# KiCad board Farallon EtherMac LC Comm Slot Card 10Base-T v1.0.kicad_pcb (continued)
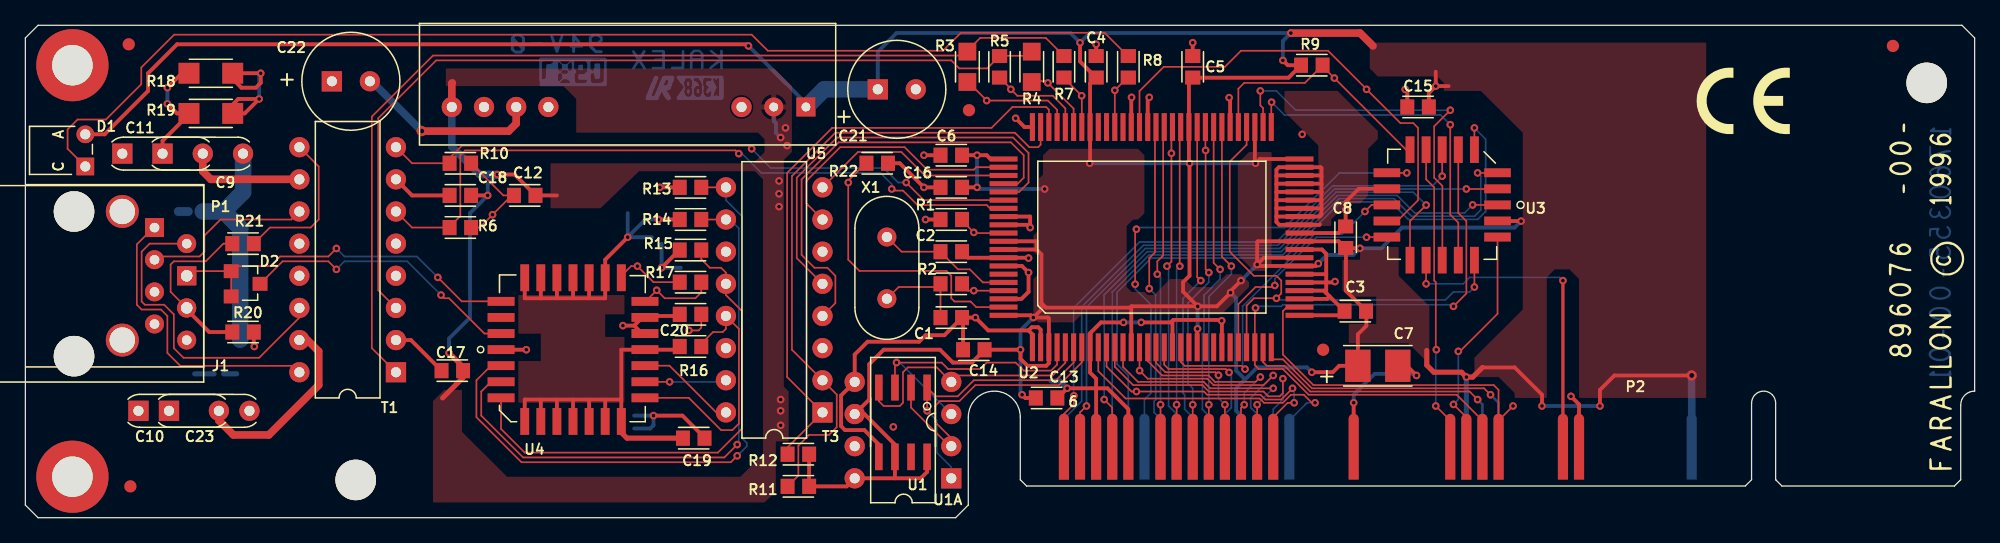
[diagram p0: board, top side]
## Routing (per net, layer and track width the routed paths; a pad name or vN(x,y) marks a point on that pad's centre or on a via; arc(x,y) is an arc through that point) (continued)
  Bottom w0.4: v1(113.69,11.11) 113.69,5.9
  Bottom w0.6: 131.47,5.9 131.47,11.24 v2(131.48,11.24)
  Bottom w1.3: U5.1 61.63,32.45 63.02,33.84 C21.1
+9V: length 50.2
  Top w0.3: U4.16 48.66,14.55 48.04,15.17 ; 48.04,15.17 48.68,15.82 48.78,15.82 48.66,15.94 ; 48.04,15.17 v1(47.15,15.17) ; 48.79,15.82 48.9,15.94 51.49,15.94 51.62,16.06 ; v1(39.53,13.27) 37.63,13.27 37.51,13.4 ; v1(49.56,8.06) 51.85,8.06 53.6,6.31 53.6,6.28 ; v1(18.06,13.52) 18.03,13.56 R20.2 ; v1(18.45,33.08) 17.3,31.94 16.29,31.94 16.29,32.57 16.79,33.08 v1(18.45,33.08) ; 18.19,33.97 17.05,33.97 16.29,34.73 16.29,35.11 v1(18.57,35.11) 18.57,34.35 18.19,33.97
  Bottom w0.3: v1(18.45,33.08) 18.45,34.99 v1(18.57,35.11) ; 48.04,8.06 v1(49.56,8.06) 49.56,7.3 49.31,7.05 48.04,7.05
  Bottom w0.4: 16.67,11.36 15.65,11.36
  Bottom w1.3: 17.18,28.51 17.18,25.72 15.65,24.19 ; 15.65,24.19 14,24.19 ; 15.65,24.19 16.95,22.9 16.95,14.06
/RX-/+9V: length 13.8
  Top w0.127: J1.6 11.46,17.84 11.46,20 11.71,20.25 14.23,20.25 15.63,21.65 R21.1
  Top w0.3: 12.73,16.44 14.51,14.67 R20.1
GND: length 247.1
  Top w0.127: U2.99 75.02,16.64 74.58,17.08 73.31,17.08 73.06,17.33 73.06,19.11 72.67,19.49 65.82,19.49 64.93,20.38 v1(64.93,26.48) 64.93,26.63 66.17,27.87
  Top w0.3: 87.03,5.9 87.03,8.57 85.37,10.22 v1(82.2,10.22) 81.44,9.46 C13.2 ; C1.2 v1(74.96,15.81) 75.98,14.79 79.15,14.79 ; C1.2 73.98,15.73 C14.1 ; C1.2 73.92,15.81 ; C1.2 72.51,14.41 71.02,14.41 70.52,13.9 66.45,13.9 65.44,12.89 U1A1.5 64.36,9.65 64.36,7.23 64.67,6.92 66.2,6.92 67.34,5.78 U1.5 ; 100.68,26.39 102.23,26.39 102.27,26.35 ; 102.64,17.75 102.9,17.49 ; 102.64,17.75 102.45,17.94 U2.34 ; 102.64,17.75 102.64,20.85 102.3,21.19 U2.39 ; 102.9,17.49 102.7,17.29 100.68,17.29 ; 102.9,17.49 104.06,16.33 104.06,16.32 103.73,15.99 U2.31 ; U2.88 79.28,23.79 v1(79.28,22.92) 79.06,23.14 U2.89 ; v1(78.14,31.56) 78.83,30.86 U2.80 ; 102.27,26.35 102.27,26.99 ; 102.27,26.35 102.27,25.72 ; 102.27,26.99 102.27,27.62 102.2,27.69 U2.49 ; 102.27,26.99 102.21,27.04 U2.48 98.76,27.04 98.71,26.99 ; 98.71,25.08 98.72,25.09 U2.45 ; 98.71,25.08 98.71,24.45 ; 98.71,25.08 98.71,25.72 ; P2.42 104.81,9.08 v1(104.81,9.08) ; U2.18 90.51,15.55 90.58,15.62 ; v1(88.68,33.21) 88.56,33.09 U2.66 ; 102.26,25.09 102.27,25.08 102.27,24.45 ; 102.26,25.09 102.26,25.71 102.27,25.72 ; 102.26,25.09 100.68,25.09 ; 90.58,15.62 90.39,15.43 v1(88.04,15.43) ; 90.58,15.62 94.32,15.62 v1(94.39,15.56) 94.41,15.54 U2.24 ; U2.68 87.26,33.19 v1(87.28,33.21) ; 98.71,26.35 98.75,26.39 U2.47 ; 98.71,26.35 98.71,26.99 ; 98.71,26.35 98.71,25.72 ; U3.10 105.2,25.98 104.17,24.95 v1(104.17,24.32) 104.17,23.03 103.62,22.49 U2.41 ; 79.15,14.79 79.41,15.05 79.91,15.05 80.11,14.85 U2.2 ; 79.15,14.79 79.46,14.49 U2.1 ; 102.27,24.45 102.26,24.44 U2.44 98.72,24.44 98.71,24.45 ; 102.27,24.45 102.27,23.94 102.12,23.79 U2.43 98.73,23.79 98.71,23.81 ; 102.27,25.72 102.24,25.74 100.68,25.74 ; 98.71,24.45 98.71,23.81 ; C2.1 74.38,20.54 79.12,20.54 v1(79.15,20.51) ; C6.1 v1(70.9,28.64) ; v1(86.64,15.43) 84.86,15.43 84.01,14.57 84.01,11.46 84.49,10.98 84.49,10.35 84.49,10.35 84.49,5.9 ; v1(121.95,9.59) 122.59,8.95 122.59,5.9 ; U2.94 78.63,19.89 v1(79.15,19.37) 79.15,17.84 78.6,17.29 U2.98 ; 98.71,26.99 98.71,27.49 98.9,27.69 100.55,27.69 ; U2.46 98.73,25.74 98.71,25.72 ; 98.71,23.81 98.71,23.37 98.94,23.14 U2.42 102.1,23.14 102.14,23.18 ; U2.35 103.27,18.59 ; C15.1 109.04,33.68 v1(108.87,33.84) ; 84.49,36.48 v1(84.49,37.4) ; U2.36 102.64,19.24 ; v1(109.76,11.24) 109,12 C7.2 ; C5.1 v1(92.11,37.53) ; R1.1 v1(71.02,23.56) ; 41.94,25.46 C12.2 38.6,27.11 v1(37.24,27.11) ; C16.1 v1(70.9,26.1) 68.99,28 68.13,28 ; U2.56 95.06,33.1 v1(94.98,33.18) ; v1(36.48,25.46) C18.2
  Top w0.4: 81.44,9.47 C13.2 ; v1(33.43,13.02) 34.54,11.91 34.54,11.07 32.92,9.46 ; 103.27,18.59 v1(103.33,18.65)
  Top w0.6: 33.69,34.35 33.65,34.31 U5.12
  Bottom w0.3: U5.2 59.05,31.34 59.21,31.18 59.21,30.41 v1(59.59,30.03) ; v1(86.64,15.43) v1(88.04,15.43) ; v1(104.81,9.08) 104.81,9.71 106.46,11.36 109.63,11.36 v1(109.76,11.24) ; v1(33.43,13.02) 33.43,14.16 35.08,15.81 35.08,24.06 v1(36.48,25.46) 36.48,26.35 v1(37.24,27.11)
  Bottom w0.4: v1(82.2,10.22) 81.62,10.81 80.93,10.81
  Bottom w0.6: v1(37.24,27.11) 35.84,27.11 33.65,29.31 U5.12
  vias: v1(59.47,26.6) v1(59.47,25.59) v1(59.47,24.57) v1(59.59,9.33) v1(59.59,8.44) v1(59.59,7.3) v1(59.97,30.8) v1(60.1,29.4) v1(68.48,7.17) v1(100.74,30.29)
VEE: length 88.2
  Top w0.127: C20.2 53.33,15.01 53.12,14.79 v1(52.35,14.79)
  Top w0.3: 45.75,18.86 45.75,20.38 v1(47.53,22.16) ; 44.48,9.33 44.48,7.7 ; 40.67,9.33 40.67,7.7 40.66,7.7 40.54,7.82 ; 39.4,7.7 39.4,9.33 47.02,9.33 ; 43.21,17.33 U4.22 ; 41.94,17.33 U4.23 ; 43.21,9.33 43.21,7.7 ; 40.67,17.33 U4.24 ; 45.62,18.97 45.75,18.85 45.75,17.33 39.4,17.33 U4.25 ; R13.1 v1(50.07,26.1) 50.2,26.1 ; 45.75,9.33 45.75,7.7 ; 41.81,7.82 41.93,7.7 41.94,7.7 41.94,9.33 ; R14.1 v1(49.94,23.56) ; 46.89,7.82 47.02,7.95 47.02,13.27 51.38,13.27 R16.1 ; v1(50.2,19.75) 51.59,21.14 R15.1 ; 44.48,17.33 U4.21 44.47,18.97
  Top w0.4: 47.02,7.7 47.02,6.73 47.47,6.28 C19.1
  Top w0.6: U5.10 38.73,31.14 38.13,30.54 v2(31.27,30.54)
  Bottom w0.3: v1(49.94,23.56) 48.93,23.56 v1(47.53,22.16) ; v1(50.2,19.75) 50.2,21.65 ; v1(50.2,19.75) 51.08,20.64 ; v1(50.2,19.75) 51.72,19.75 ; 47.53,24.06 v1(47.53,22.16) ; v1(47.53,22.16) 49.43,22.16
  Bottom w0.6: v2(31.27,30.54) 27.34,34.48 26.93,34.48
//DS: length 46.7
  Top w0.127: P2.6 81.94,8.19 82.73,8.97 v1(82.73,9.63) ; v1(111.79,26.99) 111.79,29.01
  Bottom w0.127: v1(111.79,26.99) 111.03,26.22 103.15,26.22 98.71,21.78 87.91,21.78 82.71,16.57 82.71,9.65 v1(82.73,9.63)
//DSACK1: length 47.1
  Top w0.127: v1(110.52,24.7) 109.25,23.43 U3.14 ; 83.22,5.61 83.22,8.32 v1(83.72,8.82)
  Bottom w0.127: v1(110.52,24.7) 109.5,25.72 103.41,25.72 98.96,21.27 88.37,21.27 83.72,16.62 v1(83.72,8.82)
//IO.CS.DSACL: length 24
  Top w0.127: U3.7 110.52,26.73 111.16,26.1 111.16,18.73 111.28,18.6 111.28,13.31 v1(111.32,13.27) ; 112.43,5.9 112.43,7.68 v1(111.28,8.82)
  Bottom w0.127: v1(111.32,13.27) 111.28,13.23 v1(111.28,8.82)
//RESET: length 42.4
  Top w0.127: U3.9 107.44,27.24 v1(109,27.24) ; v1(87.66,22.79) 87.56,22.7 v1(87.56,18.45)
  Bottom w0.127: v1(109,27.24) 103.66,27.24 99.34,22.92 87.79,22.92 v1(87.66,22.79) ; v1(87.56,18.45) 87.56,18.07 88.8,16.83 88.8,9.84 88.29,9.33 88.29,5.9
//SACTO.IRQ: length 18.2
  Top w0.127: 116.16,22.17 116.16,16.11 113.19,13.14 v1(113.06,13.14) ; 113.69,5.9 113.69,7.94 v1(112.68,8.95)
  Bottom w0.127: v1(112.68,8.95) 113.06,9.33 v1(113.06,13.14)
/A0: length 54.9
  Top w0.127: 97.01,13.44 97.01,16.52 v1(97.06,16.57) ; 114.97,5.9 114.97,7.68 112.93,9.71 101.25,9.71 99.22,11.75 97.31,11.75 97.01,12.05 U2.28 ; v1(112.68,16.7) 113.7,17.71 113.7,23.43 113.06,24.06 113.06,29.01
  Bottom w0.127: v1(97.06,16.57) 97.19,16.7 99.09,16.7 99.22,16.83 112.55,16.83 v1(112.68,16.7)
/A1: length 22.9
  Top w0.127: U2.29 97.66,12.29 97.95,12 99.34,12 101.38,9.97 113.95,9.97 v1(114.58,9.33)
  Bottom w0.2: v1(114.58,9.33) 114.97,8.95 114.97,5.9
/A2: length 23.5
  Top w0.127: U2.30 98.31,12.53 98.33,12.51 99.22,12.51 101.5,10.22 115.09,10.22 v1(115.6,9.71)
  Bottom w0.2: 116.24,5.9 116.24,9.08 v1(115.6,9.71)
/A3: length 27.1
  Top w0.127: v1(117.38,8.82) 116.24,7.68 116.24,10.1 115.85,10.48 101.63,10.48 99.22,12.89 99.22,16.32 99.54,16.64 U2.32
/A11c: length 25.8
  Top w0.127: v1(110.52,18.48) U3.15
  Top w0.25: v1(121.31,18.73) 121.31,5.9
  Bottom w0.127: v1(121.31,18.73) 121.06,18.98 113.95,18.98 113.44,18.48 v1(110.52,18.48)
/BALE/nWE: length 41.6
  Top w0.127: U2.27 96.36,16.76 96.93,17.33 v1(98.71,17.33) 99.09,17.71 99.09,18.73 98.71,19.11 96.93,19.11 95.03,21.02 95.03,28.13 96.36,29.46 U2.54 ; v1(114.33,18.22) 114.33,20.9
  Bottom w0.127: v1(114.33,18.22) 113.95,17.84 112.68,17.84 112.04,17.21 98.84,17.21 v1(98.71,17.33)
/C16M: length 47.1
  Top w0.127: v1(85.12,9.33) 85.75,8.7 85.75,5.9 ; v1(114.19,24.71) U3.1
  Bottom w0.127: v1(114.19,24.71) 113.56,24.07 109.62,24.07 108.23,25.46 103.54,25.46 99.09,21.02 88.52,21.02 85.12,17.61 v1(85.12,9.33)
/CD+c: length 51.2
  Top w0.127: 56.29,5.01 55.66,4.38 39.15,4.38 35.59,7.94 35.59,10.86 36.48,11.75 ; R13.2 T3.9 ; 37.51,12.13 36.86,12.13
  Bottom w0.127: 56.29,5.01 56.93,5.65 56.93,5.9 56.55,6.28 56.55,23.81 55.28,25.08 T3.9
  vias: v1(56.16,4.89)
/CD-c: length 46.2
  Top w0.127: 37.51,10.86 36.86,10.86 35.97,9.97 35.97,8.06 39.27,4.76 55.15,4.76 v1(56.16,5.78) ; R14.2 T3.10
  Bottom w0.127: v1(56.16,5.78) 56.29,5.9 56.29,22.86 55.59,23.56 T3.10
/COLN: length 21.1
  Top w0.127: U2.82 75.03,27.69 74.83,27.49 71.15,27.49 69.37,29.27 64.29,29.27 61.63,26.6 61.63,24.83 T3.7
/COLP: length 16.2
  Top w0.127: T3.8 65.69,28.89 69.12,28.89 70.97,27.04 U2.83
/D0: length 26
  Top w0.127: v1(95.15,19.87) 94.41,20.62 U2.57 ; 93.38,5.9 v1(93.38,8.93)
  Bottom w0.127: v1(95.15,19.87) 95.15,19.24 93.38,17.46 v1(93.38,8.93)
/D1: length 26.1
  Top w0.127: 93.76,30.96 93.76,20.13 v1(94.26,19.62)
  Bottom w0.127: v1(94.26,19.62) 94.26,18.86 92.99,17.59 92.99,14.67 92.87,14.54 92.87,8.57 93.38,8.06 93.38,5.9
/D2: length 26.2
  Top w0.127: v1(92.11,8.93) 92.1,8.93 92.1,5.9 ; 93.11,30.96 93.11,29.03 v1(93.12,29.02) ; v1(93.12,29.02) 93.03,28.92 ; v1(93.12,29.02) 93.12,19.62 v1(93.38,19.37)
  Bottom w0.127: v1(92.11,8.93) 92.11,10.22 91.72,10.6 91.72,16.95 93.38,18.6 v1(93.38,19.37)
/D3: length 26.4
  Top w0.127: 92.46,30.96 92.46,19.01 v1(92.74,18.73) 92.49,18.98
  Bottom w0.127: v1(92.74,18.73) 91.34,17.33 91.34,9.84 91.47,9.71 91.47,8.57 92.1,7.94 92.1,5.9
/D4: length 25.2
  Top w0.127: 90.84,5.9 v1(90.84,8.93) ; 91.08,30.96 91.08,19.89 v1(91.09,19.87)
  Bottom w0.127: v1(91.09,19.87) 90.84,19.62 v1(90.84,8.93)
/D5: length 27.7
  Top w0.127: v1(90.07,19.87) 90.43,20.23 v1(90.43,28.79) 90.43,30.96
  Bottom w0.127: v1(90.07,19.87) 90.2,19.75 90.2,8.82 90.84,8.19 90.84,5.9 90.84,8.06
/D6: length 25.4
  Top w0.127: 89.56,5.9 89.56,8.93 v1(89.57,8.93) ; v1(89.31,19.24) 89.31,20.25 89.78,20.72 89.78,30.96
  Bottom w0.127: v1(89.31,19.24) 89.57,18.98 v1(89.57,8.93)
/D7: length 25.7
  Top w0.127: v1(88.68,18.1) 88.68,20.51 89.13,20.96 89.13,30.96
  Bottom w0.127: 89.56,5.9 89.56,7.81 89.06,8.32 89.06,9.21 89.18,9.33 89.18,17.59 v1(88.68,18.1)
/D8: length 24.9
  Top w0.127: v1(101.76,9.08) 101.5,9.08 100.87,9.71 99.85,9.71 99.22,9.08 97.73,9.08 97.39,9.42 86.81,9.42 84.66,11.57 U2.9
  Bottom w0.127: 99.72,5.9 99.72,7.68 101.12,9.08 v1(101.76,9.08)
/D9: length 23
  Top w0.127: U2.10 85.31,11.94 87.28,9.97 v1(87.66,9.97) 92.99,9.97 93.25,9.71 97.45,9.71 97.83,9.33 99.09,9.33 v1(99.98,10.22) ; v1(100.11,9.08) 99.6,9.08 98.46,7.94 98.46,5.9
  Bottom w0.127: v1(100.11,9.08) 100.11,10.09 v1(99.98,10.22)
/D10: length 22.4
  Top w0.127: v1(99.22,10.98) 99.22,9.84 98.96,9.59 98.07,9.59 97.69,9.97 93.38,9.97 92.87,10.48 87.41,10.48 85.96,11.93 U2.11
  Bottom w0.127: v1(99.22,10.98) 99.22,9.33 98.46,8.57 98.46,5.9
/D11: length 18.9
  Top w0.127: v1(97.19,8.93) 97.19,8.93 97.19,5.9 ; U2.12 86.61,11.91 87.79,10.73 92.97,10.73 93.48,10.22 v1(98.46,10.22)
  Bottom w0.127: v1(97.19,8.93) 97.19,8.95 v1(98.46,10.22)
/D12: length 19.6
  Top w0.127: U2.14 87.91,11.63 v1(87.91,11.62) ; v1(87.91,11.62) 88.55,10.98 93.25,10.98 93.76,10.48 97.69,10.48 v1(98.46,11.24) ; v1(87.91,11.62) 87.91,11.75
  Bottom w0.127: 97.19,5.9 97.19,8.19 96.68,8.7 96.68,9.46 v1(98.46,11.24)
/D13: length 16.7
  Top w0.127: 95.91,5.9 95.91,8.67 v1(96.17,8.93) ; U2.15 88.56,12.37 89.69,11.24 93.35,11.24 93.86,10.73 97.06,10.73 v1(97.44,11.11)
  Bottom w0.127: v1(96.17,8.93) 96.17,9.84 v1(97.44,11.11)
/D14: length 12.2
  Top w0.127: 94.65,5.9 94.65,8.93 v1(94.65,8.93) ; v1(94.14,11.26) 93.9,11.49 89.95,11.49 89.21,12.23 U2.16
  Bottom w0.127: v1(94.14,11.26) 94.14,9.43 v1(94.65,8.93) 94.65,8.95
/D15: length 12.6
  Top w0.127: U2.17 89.86,12.09 90.2,11.75 94.71,11.75 v1(94.98,11.48)
  Bottom w0.127: 94.65,5.9 94.65,8.19 95.15,8.7 95.15,11.24 94.98,11.42 v1(94.98,11.48)
/EECS: length 22.1
  Top w0.127: v1(71.15,8.44) U1.1 71.84,9.59 73.56,9.59 74.83,10.86 81.31,10.86 82.71,12.25 U2.6
  Bottom w0.127: v1(71.15,8.44) 71.91,7.68 71.91,5.14 73.06,4 U1A1.1 73.04,3.11
/EED0: length 23
  Top w0.127: U2.4 81.41,12.1 80.93,11.62 78.77,11.62 78.14,12.25 75.85,12.25 75.34,11.75 72.8,11.75 72.29,12.25 v1(68.74,12.25) 68.61,12.13 U1.3
  Bottom w0.127: U1A1.3 68.99,12.25 v1(68.74,12.25) ; 72.79,7.95 72.81,7.95
/EEDI: length 20.9
  Top w0.127: U2.5 82.06,12.24 81.06,11.24 73.56,11.24 U1A1.4 71.91,11.87 69.63,11.87 69.25,11.49 69.25,9.08 68.99,8.82 67.72,8.82 67.34,9.21 U1.4
/EESK: length 23.9
  Top w0.127: U2.7 83.36,12.27 81.56,10.48 74.96,10.48 73.69,9.21 72.17,9.21 71.79,8.82 71.79,7.55 73.06,6.28 U1A1.2 72.93,5.65 69.88,8.7 U1.2
/INTR0: length 26.2
  Top w0.127: U2.19 91.16,12.31 91.47,12 95.97,12 v1(96.23,11.74) ; v1(105.69,24.19) 106.21,24.71 U3.11
  Bottom w0.127: v1(105.69,24.19) 103.92,22.41 101.74,22.41 100.03,20.71 100.03,20.69 96.04,16.7 96.04,11.93 v1(96.23,11.74)
/IOSIZE(0): length 49.5
  Top w0.127: v1(114.58,27.24) 116.14,27.24 U3.3
  Bottom w0.127: v1(114.58,27.24) 114.84,26.99 114.84,24.32 114.34,23.82 109.37,23.82 107.99,25.21 103.66,25.21 99.22,20.76 88.68,20.76 85.75,17.84 85.75,5.9
/IOSIZE(1): length 53.8
  Top w0.127: v1(114.33,30.8) U3.4
  Bottom w0.127: v1(114.33,30.8) 115.22,29.91 115.22,24.19 114.59,23.57 109.11,23.57 107.73,24.95 103.79,24.95 99.34,20.51 88.83,20.51 86.14,17.82 86.14,12.13 87.03,11.24 87.03,5.9
/LEDG: length 92.9
  Top w0.127: D1.1 3.33,29.14 3.33,30.67 4.12,31.46 6.36,31.46 9.15,34.25 9.15,35.57 11.74,38.16 57.31,38.16 58.58,36.89 72.4,36.89 73.82,38.31 85.15,38.31 86.99,36.47 R8.2
/nIORD: length 27.8
  Top w0.127: U2.51 98.31,32.81 v1(98.33,32.83) ; U3.17 113.06,23.3 112.43,23.94 v1(112.43,31.05)
  Bottom w0.127: v1(112.43,31.05) 111.66,31.81 99.34,31.81 v1(98.33,32.83)
/nIOWR: length 31.2
  Top w0.127: v1(112.43,32.19) 111.16,30.92 111.16,26.86 111.8,26.21 111.8,20.36 U3.16 ; U2.52 97.66,32.36 97.44,32.57 v1(97.44,33.72)
  Bottom w0.127: v1(112.43,32.19) 100.23,32.19 98.71,33.72 v1(97.44,33.72)
/nLNKLED: length 4.4
  Top w0.127: R8.1 86.96,34.77 v1(85.96,33.77) 85.96,33.77 U2.70
/nSBHE/nCE2: length 17.6
  Top w0.127: U3.13 105.83,22.17 v1(105.82,22.16) ; v1(98.58,18.35) 98.46,18.22 97.06,18.22 95.71,16.87 U2.26
  Bottom w0.127: v1(98.58,18.35) 98.58,18.88 101.86,22.16 v1(105.82,22.16)
/nWAIT: length 20.2
  Top w0.127: U3.8 108.94,29.08 v1(103.28,34.73) 102.35,35.66 R9.1 100.96,34.35 96.17,34.35 95.71,33.89 U2.55
/RCT: length 9.3
  Top w0.6: T1.10 14.64,26.73 14,27.37 C11.2
/RD+: length 55.9
  Top w0.127: v1(56.29,28.76) 56.04,29.02 34.7,29.02 34.32,28.64 34.32,23.83 33.41,22.92 30.51,22.92 T1.6 ; v1(68.36,25.97) 68.48,25.84 69.25,25.84 70.39,24.7 75.85,24.7 76.11,24.44 U2.87
  Bottom w0.127: v1(56.29,28.76) 56.55,28.76 58.07,27.24 67.47,27.24 68.36,26.35 v1(68.36,25.97)
/RD-: length 51.1
  Top w0.127: v1(69.5,26.48) 70.89,25.09 U2.86 ; v1(57.31,29.14) 57.05,29.4 34.45,29.4 33.47,28.42 R10.1 30.51,28 T1.8
  Bottom w0.127: v1(57.31,29.14) 58.83,27.62 67.72,27.62 68.86,26.48 v1(69.5,26.48)
/RECN: length 35.6
  Top w0.127: T3.4 63.91,16.95 63.91,19.11 63.28,19.75 62.26,19.75 61.24,20.76 61.24,26.73 64.17,29.65 77.75,29.65 78.77,28.64 78.77,26.86 78.3,26.39 U2.84
/RECP: length 33.9
  Top w0.127: T3.5 60.86,20.51 60.86,26.86 64.04,30.03 77.93,30.03 79.15,28.81 79.15,26.48 78.41,25.74 U2.85
/RESET: length 37.5
  Top w0.127: U2.67 87.91,33.71 89.82,35.62 94.65,35.62 95.92,36.89 102.78,36.89 105.82,33.85 v1(105.82,33.84) 108.49,31.18 109.5,31.18 109.89,30.8 109.89,25.08 108.25,23.44 U3.12
/RW: length 48
  Top w0.127: U3.2 116.14,25.97 v1(113.7,25.97)
  Bottom w0.127: v1(113.7,25.97) 103.28,25.97 98.84,21.52 88.22,21.52 83.34,16.65 83.34,9.21 81.94,7.81 81.94,5.9
/RX+: length 13.8
  Top w0.127: T1.11 20.99,23.56 15.4,23.56 14.13,22.29 14.13,21.02 13.75,20.64 10.57,20.64 10.19,20.25
/RX+c: length 39
  Top w0.127: R15.2 53.33,20.42 54.01,19.75 54.89,19.75 55.28,19.37 T3.12 55.28,17.59 56.55,16.32 56.55,7.05 54.64,5.14 39.4,5.14 37.53,7.01 U4.4
/RX-: length 12.3
  Top w0.127: R21.2 19.3,22.92 22.51,22.92 23.14,23.56 23.14,27.75 T1.9
/RX-c: length 21.6
  Top w0.127: R16.2 53.33,13.74 54.26,14.67 55.02,14.67 55.28,14.92 T3.13 56.29,14.92 56.29,7.43 55.78,6.92 54.89,6.92 52.34,9.47 U4.12 48.9,9.46 ; 53.27,13.27 53.27,13.55
/RXIc: length 30.1
  Top w0.127: D2.1 13.1,19.48 J1.4 ; D2.1 16.64,19.87 19.33,19.87 20.1,20.64 23.91,20.64 v1(24.54,21.27) ; D2.1 D2.2 ; v1(32.54,18.98) 34.44,17.09 U4.26 ; 13.22,19.48 12.73,18.98
  Bottom w0.127: v1(32.54,18.98) 30.89,20.64 25.18,20.64 v1(24.54,21.27)
/SHIELD: length 12
  Top w0.3: v1(11.21,33.97) 12.35,35.11 12.99,35.11 ; C9.1 10.83,29.78 12.99,31.94 11.97,31.94 v1(11.21,32.7)
  Bottom w0.3: v1(11.21,33.97) v1(11.21,32.7)
  Bottom w0.4: 13.37,11.36 14.89,11.36
  Bottom w0.7: 12.07,24.19 12.86,24.19
/TCT: length 15.3
  Top w0.6: T1.15 22.26,14.03 23.14,13.14 23.14,10.48 19.21,6.54 16.41,6.54 15.27,7.68 C10.2
/TD+: length 78.9
  Top w0.127: 81.91,36.49 81.91,36.51 80.51,37.91 75.34,37.91 74.33,36.89 74.33,36.51 32.16,36.51 27.34,31.68 27.34,13.4 T1.1
/TD-: length 69.7
  Top w0.127: T1.3 27.84,17.97 27.84,31.56 32.42,36.13 73.06,36.13 73.69,35.49 75.89,35.49 R5.1 76.89,36.49 79.41,36.49
/TX+: length 23.4
  Top w0.127: 10.12,22.92 8.79,21.6 8.79,16.83 9.17,16.44 10.7,16.44 11.21,15.94 11.21,13.02 12.22,12 21.11,12 T1.16
/TX+c: length 6.4
  Top w0.127: v1(50.83,10.73) 48.9,10.73 U4.13
  Bottom w0.127: v1(50.83,10.73) 55.15,10.73 T3.15
/TX-: length 25.7
  Top w0.127: T1.14 21.62,15.81 18.45,12.63 12.48,12.63 11.71,13.4 11.71,16.06 10.95,16.83 9.43,16.83 9.17,17.08 9.17,21.02 9.81,21.65 J1.2
/TX-c: length 8
  Top w0.127: U4.14 50.82,12.01 54.77,8.06 55.28,8.06
/TXN/nCRS: length 49.2
  Top w0.127: R12.1 60.14,5.56 T3.1 60.1,11.11 60.1,27.24 63.66,30.8 76.23,30.8 77.88,32.45 80.55,32.45 80.76,32.24 U2.78 ; 59.82,4.76 59.82,5.12
/TXOc: length 22.6
  Top w0.127: D2.3 20.3,20.25 23.91,20.25 v1(24.54,19.62) ; U4.28 36.21,14.55 33.43,17.33 33.05,17.33 v1(32.8,17.59)
  Bottom w0.127: v1(32.8,17.59) 30.13,20.25 25.18,20.25 v1(24.54,19.62)
/TXP/nCOLL: length 51.5
  Top w0.127: U2.79 80.11,29.46 79.91,29.27 79.22,29.27 78.07,30.41 63.91,30.41 60.48,26.99 60.48,13.27 T3.2 64.02,9.73 64.02,7.15 63.4,6.54 61.83,6.54 60.99,5.7 60.99,3.32 R11.1
Net-(C1-Pad1): length 6.9
  Top w0.127: 71.89,18.22 71.91,18.22 ; 71.89,18.22 72.21,17.91 C1.1 ; 71.89,18.22 68.9,18.22 X1.1
Net-(C12-Pad1): length 8.9
  Top w0.127: R10.2 37.71,25.46 C12.1 38.38,25.46 v1(36.86,23.94) 35.84,22.92 R6.2
Net-(T1-C_RD): length 4.8
  Top w0.3: T1.7 30.51,25.46 C18.1
Net-(T1-C_TD): length 4.6
  Top w0.3: 32.82,11.62 32.8,11.62 ; C17.1 30.42,14.03 T1.2
Net-(U2-RBIAS): length 3.8
  Top w0.127: U2.90 74.89,22.49 v1(74.83,22.54) 73.91,23.47 R1.2
Net-(U2-TPETXDN): length 7.7
  Top w0.127: R5.2 77.75,33.88 v1(77.75,33.84) 78.26,33.34 81.06,33.34 82.06,32.34 U2.76
Net-(U2-TPETXDP): length 4.6
  Top w0.127: 81.93,34.73 81.95,34.73 v1(83.34,33.34) ; v1(83.34,33.34) 83.36,33.32 U2.74 ; v1(83.34,33.34) 83.28,33.27
Net-(U2-TPETXN): length 5.9
  Top w0.127: 79.15,34.49 80.53,34.49 v1(80.68,34.35) 82.71,32.32 U2.75
Net-(U2-TPETXP): length 9.6
  Top w0.127: U2.77 81.41,32.22 80.68,32.95 v1(75.85,32.95) 75.85,32.96 74.32,34.49 74.07,34.49
Net-(U2-XTAL1): length 10.7
  Top w0.127: X1.2 69.14,21.02 72.19,21.02 73.59,19.62 74.52,19.62 75.55,18.59 U2.96
Net-(U2-XTAL2): length 3.5
  Top w0.127: U2.97 v1(74.83,17.94) 74.38,17.94 73.97,18.35 73.84,18.35
Net-(U4-RR+): length 6.3
  Top w0.127: 48.66,17.21 48.78,17.09 48.94,17.09 v1(49.81,17.97) 50.45,17.33 52.86,17.33 53.33,17.8 R17.2
Net-(U4-RR-): length 5.6
  Top w0.127: 46.89,18.97 47.79,19.87 v1(48.29,19.87) 49.56,18.6 R17.1

## Copper pours and planes (outline as drawn; the poured copper is in the pictures)
+5V on Top: 108.36,19.11 110.77,16.7 110.77,12.13 109.12,13.78 104.42,13.78 104.42,15.3 106.58,15.3 106.58,17.46 104.42,17.46 103.92,17.97 103.92,20.38 105.31,20.38 105.31,21.4 108.36,21.4
+5V on Top: 132.62,9.46 122.59,9.46 122.59,18.86 121.82,19.62 120.68,19.62 120.05,18.98 120.05,9.46 117.51,9.46 117.51,9.84 116.24,11.11 114.33,11.11 114.33,12.63 118.14,16.44 118.14,30.41 114.84,33.72 111.92,33.72 111.92,34.35 111.41,34.86 106.71,34.86 106.08,35.49 106.08,37.53 132.62,37.53
+5V on Top: 96.93,19.49 95.66,20.76 95.66,28 96.55,28.89 98.33,28.89 98.33,20 97.82,19.49
+5V on Top: 83.34,16.06 94.39,16.06 96.55,18.22 96.55,18.6 95.92,19.24 94.77,19.24 93.76,18.22 92.11,18.22 91.47,18.86 90.33,18.86 89.06,17.59 88.55,17.59 88.3,17.84 87.28,17.84 86.9,18.22 86.9,23.05 87.41,23.56 87.79,23.56 88.3,24.06 88.3,28.64 87.79,29.14 80.8,29.14 80.29,28.64 80.29,27.11 79.91,26.73 79.91,22.67 79.53,22.29 79.53,21.02 79.91,20.64 79.91,19.24 79.53,18.86 79.53,15.81 79.91,15.43 82.71,15.43
+9V on Bottom: 16.29,2.98 16.29,15.05 18.06,15.05 18.57,14.54 18.57,10.6 19.72,9.46 37.11,9.46 37.11,21.14 38.89,22.92 38.89,27.49 38,28.38 36.73,28.38 34.96,30.16 34.96,33.59 34.57,33.97 30.89,33.97 29.24,35.62 25.94,35.62 25.56,35.24 25.56,32.57 19.97,32.57 18.45,31.05 18.45,26.6 16.16,26.6 15.65,27.11 15.65,35.62 16.54,36.51 36.86,36.51 37.37,36 37.37,31.43 46,22.79 46,18.98 48.29,18.98 48.29,3.87 47.4,2.98
GND on Top: 33.18,35.49 59.09,35.49 60.48,34.1 60.48,28.89 59.85,28.26 59.85,10.35 60.23,9.97 60.23,6.03 59.21,6.03 59.21,2.09 58.32,1.2 32.16,1.2 32.16,9.21 33.05,10.09 34.45,10.09 34.45,6.79 38,3.24 56.42,3.24 58.2,5.01 58.2,26.73 57.56,27.37 48.42,27.37 45.37,24.45 41.43,24.45 41.43,28 57.43,28 58.32,28.89 58.32,29.91 57.82,30.41 43.46,30.41 43.46,33.08 42.45,34.1 33.18,34.1
GND on Top: 106.71,30.54 106.71,29.91 105.95,29.14 105.95,25.46 105.31,24.83 104.3,24.83 103.03,23.56 103.03,23.05 102.01,23.05 102.01,29.4 99.34,32.07 99.34,33.72 103.54,33.72
GND on Bottom: 62.77,31.3 64.17,32.7 67.98,32.7 67.98,35.62 69.5,37.15 83.47,37.15 83.98,37.65 147.35,37.65 147.35,9.46 139.35,9.46 138.21,10.6 131.48,10.6 130.33,9.46 103.03,9.46 100.23,12.25 96.8,12.25 96.8,16.7 102.14,22.03 104.17,22.03 104.93,20.51 105.69,20.51 106.08,20.89 107.22,20.89 109,22.67 115.35,22.67 115.35,28.64 113.95,27.87 103.54,27.87 99.09,23.43 87.41,23.43 87.03,23.05 87.03,21.65 82.2,16.83 82.2,11.24 81.31,10.35 79.91,10.35 79.28,10.98 79.28,14.41 79.91,15.05 79.91,16.19 79.66,16.44 79.02,16.44 77.5,14.92 71.02,14.92 69.37,13.27 68.48,13.27 68.1,12.89 68.1,11.36 69.25,10.22 69.25,8.57 71.53,6.28 71.53,4.51 71.79,4.25 71.79,1.08 58.96,1.08 58.96,31.3
VEE on Top: 38.89,9.08 38.89,12.38 40.67,12.38 40.67,14.54 38.89,14.54 38.89,17.59 47.27,17.59 47.27,16.06 45.75,16.06 45.75,14.29 47.27,14.29 47.27,9.08
VEE on Bottom: 52.86,12.25 53.37,12.76 53.37,28 47.66,33.72 39.27,33.72 38.26,32.7 38.26,32.32 39.4,31.18 40.16,31.18 51.34,19.87 51.34,12.25
/SHIELD on Bottom: 1.17,0.19 10.44,0.19 12.1,1.84 12.1,9.33 13.37,9.33 13.87,9.84 13.87,11.75 7.27,11.75 6.89,11.36 6.89,10.22 2.7,10.22 2.7,31.3 3.84,32.45 6.63,32.45 6.63,29.14 11.21,24.57 11.21,24.32 11.71,23.81 12.22,23.81 12.22,36.89 10.44,38.67 1.17,38.67 0.41,37.91 0.41,0.95

## Text on the board
F.Fab: MountingHole_3.2mm_M3_ISO14580_Pad_TopBottom
F.Silkscreen: 6 | U1A | +
